# Altium PCB ESP12_PCB.PcbDoc
Units mm, origin at the board's own origin, x right, y up, seen from the top; angles counter-clockwise.
Board outline 42 x 72 mm, 2 copper layers (Top Layer, Bottom Layer); 27 components, 18 nets, 83 pads, 54 vias.
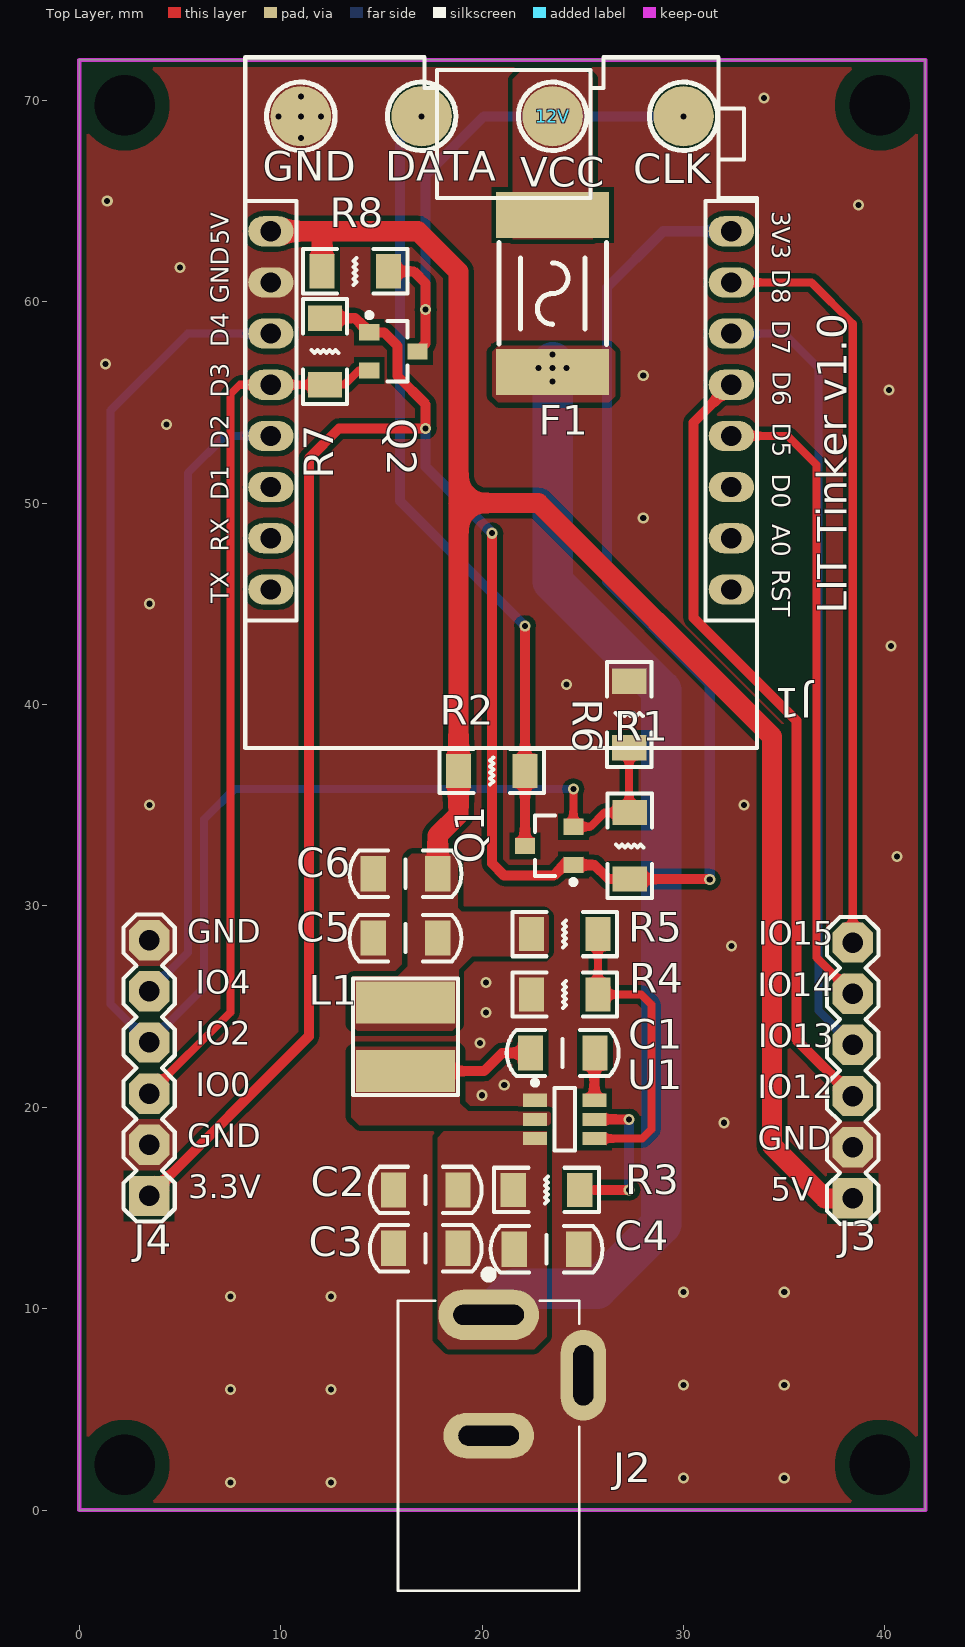
[diagram p0: Top Layer view]
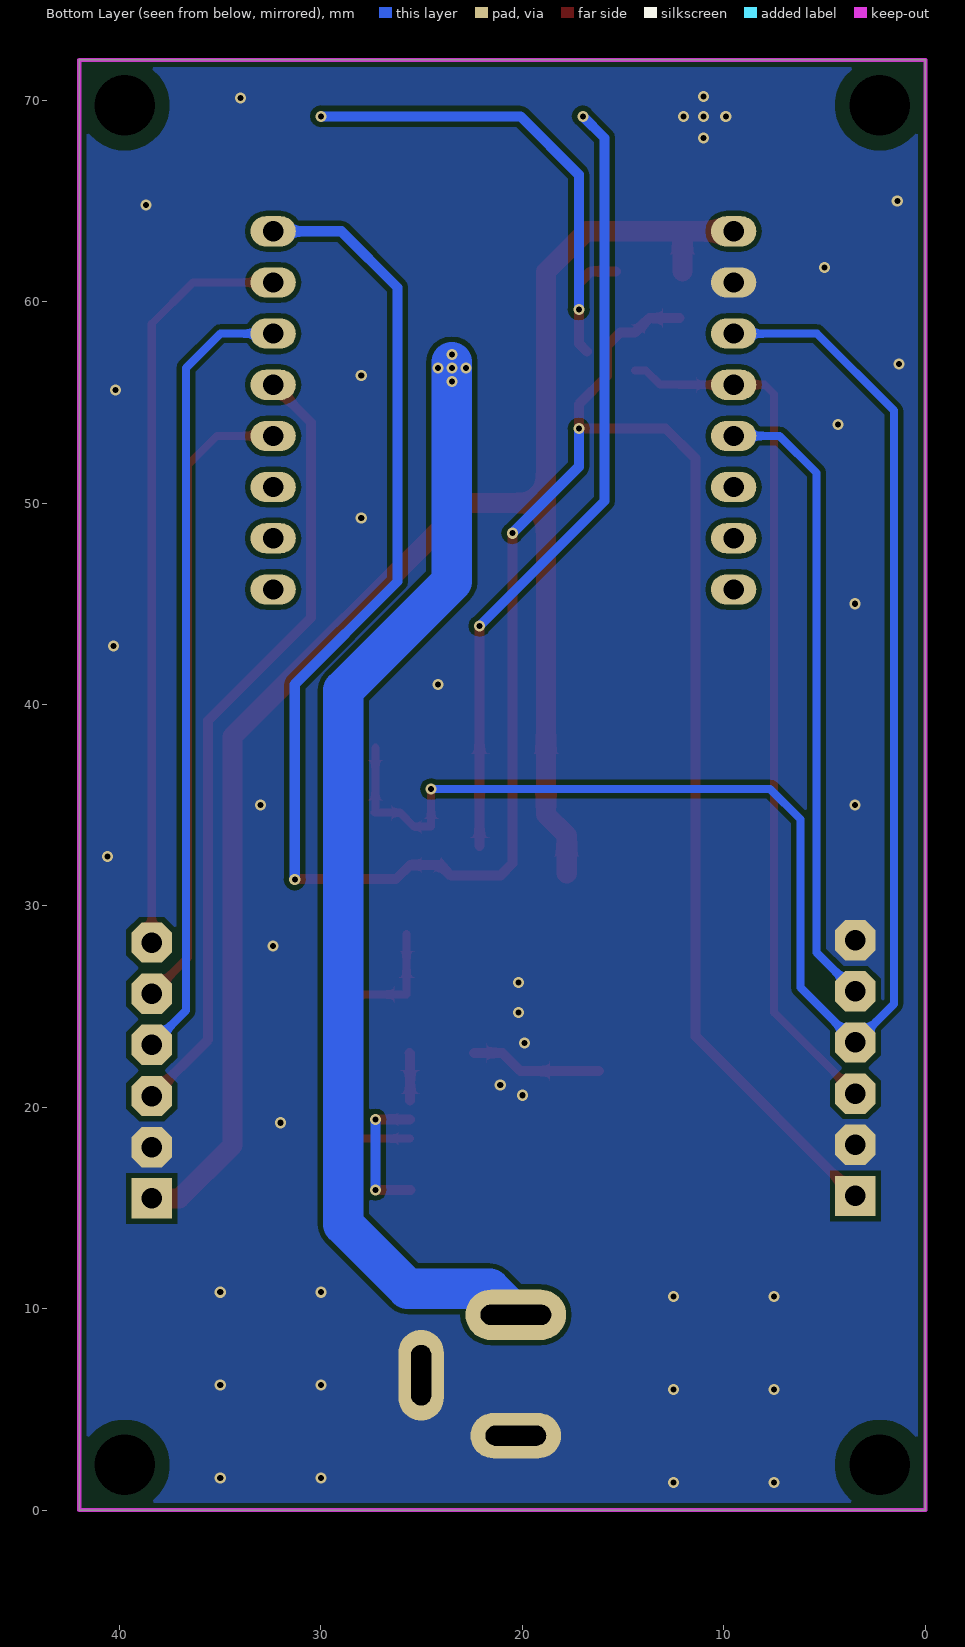
[diagram p1: Bottom Layer view, seen from below]

## Layer stack, top to bottom
Top Solder: solder mask 0.0102, Solder Resist, Dk 3.5
Top Layer: signal copper 0.0356
Dielectric 1: dielectric 0.32, FR-4, Dk 4.8
Bottom Layer: signal copper 0.0356
Bottom Solder: solder mask 0.0102, Solder Resist, Dk 3.5

## Board outline
0,0 0,72 42,72 42,0

## Design rules (kind name [scope] priority, off if disabled: settings)
Clearance [All] p1: gap=0.254 ignorepadtopadclearanceinfootprint=FALSE except(0: Arc-Hole Track-Hole SMDPad-Hole THPad-Hole Via-Hole Fill-Hole Poly-Hole Region-Hole Text-Hole)
PolygonConnect [All] p1: connectstyle=Direct reliefconductorwidth=0.254 reliefentries=4 polygonreliefangle="90 Angle" airgapwidth=0.254
RoutingVias [All] p1: holewidth=0.3 width=0.55 viastyle="Through Hole" minholewidth=0.3 minwidth=0.55 maxholewidth=0.7 maxwidth=1
SolderMaskExpansion [All] p1: expansion=0.102
Width [All] p1: maxlimit=3 minlimit=0.254 preferedwidth=0.254
30 further rules are at their usual default settings.

## Components (designator, comment, footprint, x,y, rotation, side; value= is the part's Value field where it differs from the comment)
12V "TestPoint" TestPoint 23.5,69.198 r90 top
C1 "0.1uF" C1206 24,22.7 r180 top
C2 "10uF" C1206 17.2,15.9 r180 top
C3 "10uF" C1206 17.2,13 r180 top
C4 "0.1uF" C1206 23.2,12.95 r0 top
C5 "22uF/25V" C1206 16.195,28.4 r180 top
C6 "22uF/25V" C1206 16.2,31.6 r180 top
CLK "TestPoint" TestPoint 30,69.198 r0 top
DATA "TestPoint" TestPoint 17,69.198 r270 top
F1 "FUSE" FUSE-SMD_L8.0-W5.4 23.5,60.4 r270 top
GND "TestPoint" TestPoint 11,69.198 r270 top
J1 "Wemos D1 Mini" WEMOS_D1_MINI 20.941,54.6 r180 top locked
J2 "DC Jack" CUI_PJ-002A 20.325,3.7 r270 top
J3 "1X06" CON_1X06_2.54MM_MALE 38.4,15.48 r90 top
J4 "1X06" CON_1X06_2.54MM_MALE 3.471,15.6 r90 top
L1 "3.3uH" IND_5X5 16.2,23.5 r180 top
Q1 "BSS138" SOT23-3 23.328,32.98 r90 top
Q2 "BSS138" SOT23-3 15.6,57.525 r270 top
R1 "1K" R1206 27.328,32.98 r270 top
R2 "1K" R1206 20.478,36.7 r180 top
R3 "10K" R1206 23.2,15.9 r0 top
R4 "10K" R1206 24.1,25.6 r0 top
R5 "54.9K" R1206 24.1,28.6 r180 top
R6 "10K" R1206 27.3,39.5 r270 top
R7 "1K" R1206 12.2,57.525 r90 top
R8 "1K" R1206 13.7,61.5 r180 top
U1 "TPS563201" SOT23-6 24.1,19.4 r0 top

## Footprints (in the part's own frame and the unit in brackets; to place one, negate y for a bottom-side part, rotate by r counter-clockwise, add the part's x,y. Pads: shape width x height; smd on the part's side, far side on the other; paste and mask are expansions set on the pad)
C1206 [mm] "Chip Capacitor, 2-Leads, Body 3.20x1.60mm, IPC Medium Density"
  rect 1.25x1.75 smd: 1(-1.6,0) 2(1.6,0)
  silkscreen extent -2.78,-1.15 2.78,1.15, body extent -1.65,-0.85 1.65,0.85, height 0.6
CON_1X06_2.54MM_MALE [mm]
  rect 2x2 hole 1.016: 1(0,0)
  oct 2x2 hole 1.016: 2(2.54,0) 3(5.08,0) 4(7.62,0) 5(10.16,0) 6(12.7,0)
  silkscreen extent -1.27,-1.27 13.97,1.27, body extent -1.27,-1.27 13.97,1.27, height 8.6
CUI_PJ-002A [mm] "Power Barrel Connector Jack 2.10mm ID (0.083\"), 5.50mm OD (0.217\") Through Hole, Right Angle"
  oval 2.5x5 hole 1 slot 3.5 at 90 deg: 1(-6,0)
  oval 2.25x4.5 hole 1 slot 3 at 90 deg: 2(0,0)
  oval 4.5x2.25 hole 1 slot 3 at 0 deg: 3(-3,4.7)
  silkscreen extent -8.2,-4.5 7.7,4.5, body extent -6.7,-4.5 7.7,4.9, height 11
FUSE-SMD_L8.0-W5.4 [mm]
  rect 2.3x5.6 smd: 1(-3.9,0) 2(3.9,0)
  silkscreen extent -2.54,-2.67 2.52,2.67, body extent -3.68,-2.56 3.68,2.56, height 0.9
IND_5X5 [mm]
  rect 4.9x2.1 smd: 1(0,1.7) 2(0,-1.7)
  silkscreen extent -2.6,-2.9 2.6,2.9, body extent -2.5,-2.5 2.5,2.5, height 2.95
R1206 [mm] "Chip Resistor, 2-Leads, Body 3.20x1.60mm, IPC Medium Density"
  rect 1.25x1.7 smd: 1(-1.65,0) 2(1.65,0)
  silkscreen extent -2.6,-1.1 2.6,1.1, body extent -1.65,-0.85 1.65,0.85, height 0.6
SOT23-3 [mm] "SOT23, 3-Leads, Body 2.90x2.45mm, Pitch 0.95mm, IPC Medium Density"
  rect 0.8x1 smd: 1(-0.95,-1.2) 2(0.95,-1.2) 3(0,1.2)
  silkscreen extent -1.92,-1.33 1.5,0.7, body extent -1.5,-1.3 1.5,1.3, height 1.1
SOT23-6 [mm] "SOT23, 5-Leads, Body 2.90x2.80mm, Pitch 0.95mm, IPC Low Density"
  rect 1.2x0.65 smd: 1(-1.475,0.95) 2(-1.475,0) 3(-1.475,-0.95) 4(1.475,-0.95) 5(1.475,0) 6(1.475,0.95)
  silkscreen extent -1.6,-1.55 0.5,1.95, body extent -1.4,-1.45 1.4,1.45, height 0.95
TestPoint [mm]
  round 3 smd: 1(0,0)
  silkscreen extent -1.7,-1.7 1.7,1.7
WEMOS_D1_MINI [mm]
  oval 2.25x1.5 hole 1: 1(-11.43,8.89) 2(-11.43,6.35) 3(-11.43,3.81) 4(-11.43,1.27) 5(-11.43,-1.27) 6(-11.43,-3.81) 7(-11.43,-6.35) 8(-11.43,-8.89) 9(11.43,-8.89) 10(11.43,-6.35) 11(11.43,-3.81) 12(11.43,-1.27) 13(11.43,1.27) 14(11.43,3.81) 15(11.43,6.35) 16(11.43,8.89)
  silkscreen extent -12.7,-17.53 12.71,16.76, body extent -12.86,-17.5 12.88,16.75, height 14.6

## Part data
12V CLK DATA GND: "Test Point"
C1 C4: library part C1206_0.1uF_50V, "0.1µF ±10% 50V Ceramic Capacitor X7R 1206 (3216 Metric)", Capacitance=100nF, Case/Package=1206, Case Code (Metric)=3216, Dielectric=X7R, Manufacturer=Samsung, Manufacturer Part Number=CL31B104KBCNFNC, Max Operating Temperature=125°C, Min Operating Temperature=-55°C, Package Quantity=1, Supplier Part Number 1=1276-2744-1-ND, Tolerance=10%, Voltage Rating=50V, Case Code (Imperial)=1206, ComponentLink1Description=https://media.digikey.com/pdf/Data%20Sheets/Samsung%20PDFs/CL_Series_MLCC_ds.pdf?src-supplier=Digi-Key, ComponentLink1URL=https://media.digikey.com/pdf/Data%20Sheets/Samsung%20PDFs/CL_Series_MLCC_ds.pdf?src-supplier=Digi-Key, Depth=1.6mm, Height=0.85mm, Length=0.126inch, Mount="Surface Mount", Packaging="Tape and Reel", Pricing 1="1=0.12, 10=0.086, 100=0.0403, 500=0.02824, 1000=0.02338 (USD)", Radiation Hardening=No, Stock 1=134564, Supplier 1=Digi-Key, Thickness=0.037inch, Width=0.063inch
C2 C3: library part C1206_10uF_16V, "10µF -20%, +80% 16V Ceramic Capacitor Y5V (F) 1206 (3216 Metric)", Case/Package=1206, Case Code (Metric)=3216, Dielectric=Y5V, Manufacturer=Samsung, Manufacturer Part Number=CL31F106ZOHNNNE, Max Operating Temperature=85°C, Min Operating Temperature=-30°C, Supplier Part Number 1=1276-1312-1-ND, Tolerance=80%, Voltage Rating=16V, Capacitance=10uF, Case Code (Imperial)=1206, ComponentLink1Description=https://www.verical.com/server-webapp/html/getDatasheet?partID=354118&src-supplier=Verical, ComponentLink1URL=https://www.verical.com/server-webapp/html/getDatasheet?partID=354118&src-supplier=Verical, ComponentLink2Description=http://www1.futureelectronics.com/doc/SAMSUNG%20PASSIVE/CL05B104KQ5NNNC.pdf?src-supplier=Future+Electronics, ComponentLink2URL=http://www1.futureelectronics.com/doc/SAMSUNG%20PASSIVE/CL05B104KQ5NNNC.pdf?src-supplier=Future+Electronics, ComponentLink3Description=https://produktinfo.conrad.com/datenblaetter/450000-474999/452562-da-01-en-VS_KONDENSATOR_1206.pdf?src-supplier=Conrad, ComponentLink3URL=https://produktinfo.conrad.com/datenblaetter/450000-474999/452562-da-01-en-VS_KONDENSATOR_1206.pdf?src-supplier=Conrad, Depth=1.6mm, Height=1.6mm, Lead Free="Lead Free", Length=3.2mm, Material=Ceramic, Mount="Surface Mount", Packaging="Tape and Reel", Pricing 1="1=0.25, 10=0.169, 100=0.096, 500=0.06778, 1000=0.0593 (USD)", Radiation Hardening=No, Stock 1=142848, Supplier 1=Digi-Key, Thickness=0.071inch, Voltage Rating (DC)=16V, Width=0.063inch
C5 C6: library part C1206_22uF_25V, "Cap Ceramic 22uF 25V X5R 10% SMD 1206 85C Embossed T/R", Capacitance=22uF, Case/Package=1206, Case Code (Metric)=3216, Dielectric=X5R, Manufacturer=Samsung, Manufacturer Part Number=CL31A226KAHNNNE, Max Operating Temperature=85°C, Min Operating Temperature=-55°C, Package Quantity=1, Supplier Part Number 1=1276-3047-1-ND, Tolerance=10%, Voltage Rating=25V, Case Code (Imperial)=1206, ComponentLink1Description=https://media.digikey.com/pdf/Data%20Sheets/Samsung%20PDFs/CL_Series_MLCC_ds.pdf?src-supplier=Digi-Key, ComponentLink1URL=https://media.digikey.com/pdf/Data%20Sheets/Samsung%20PDFs/CL_Series_MLCC_ds.pdf?src-supplier=Digi-Key, ComponentLink2Description=https://www.verical.com/server-webapp/html/getDatasheet?partID=359658&src-supplier=Verical, ComponentLink2URL=https://www.verical.com/server-webapp/html/getDatasheet?partID=359658&src-supplier=Verical, ComponentLink3Description=http://www1.futureelectronics.com/doc/SAMSUNG/CL31A226KAHNNNE.pdf?src-supplier=Future+Electronics, ComponentLink3URL=http://www1.futureelectronics.com/doc/SAMSUNG/CL31A226KAHNNNE.pdf?src-supplier=Future+Electronics, ComponentLink4Description=https://produktinfo.conrad.com/datenblaetter/450000-474999/452249-da-01-en-VS_KONDENSATOR_1206.pdf?src-supplier=Conrad, ComponentLink4URL=https://produktinfo.conrad.com/datenblaetter/450000-474999/452249-da-01-en-VS_KONDENSATOR_1206.pdf?src-supplier=Conrad, Contact Plating=Tin, Depth=1.6mm, Height=1.6mm, Length=3.2mm, Material=Ceramic, Mount="Surface Mount", Packaging="Tape and Reel", Pricing 1="1=0.62, 10=0.439, 100=0.289, 500=0.21406, 1000=0.18195 (USD)", Radiation Hardening=No, Stock 1=1010193, Supplier 1=Digi-Key, Thickness=0.071inch, Width=0.063inch
F1: "16V 10A 2920 PTC Resettable Fuses RoHS", Manufacturer Part Number=SMD2920P500TF/16
J1: library part Wemos_D1_Mini, "Wemos D1 Mini Wireless WIFI Internet of Things Development Board Based ESP8266 CH340 CH340G 4MB For Arduino Nodemcu V2 V3.0 3.0"
J2: library part DC_JACK_PJ-002A, "Power Barrel Connector Jack 2.10mm ID (0.083\"), 5.50mm OD (0.217\") Through Hole, Right Angle", Color=Black, Current Rating=2.5A, Flammability Rating="UL94 V-0", Insulation Resistance=50MR, Manufacturer=CUI, Manufacturer Part Number=PJ-002A, Max Operating Temperature=85°C, Min Operating Temperature=-25°C, Package Quantity=500, Supplier Part Number 1=CP-002A-ND, Voltage Rating=24V, Connector Type=Jack, Contact Gender=Male, Contact Material="Copper Alloy,Copper", Contact Plating=Tin,Nickel, Diameter=2.1mm, Gender=Male, Housing Color=Black, Housing Material=Thermoplastic, Lead Free="Lead Free", Mount="Through Hole", Number of Conductors=2, Orientation=Horizontal, Packaging=Bulk, Pricing 1="1=0.6, 10=0.558, 25=0.5024, 50=0.4464, 100=0.4278, 250=0.3906, 500=0.372, 1000=0.3069, 2500=0.279 (USD)", Shielding=Unshielded, Stock 1=57905, Supplier 1=Digi-Key, Termination="Through Hole"
J3 J4: library part CON_1X06_2.54mm_Male, "Connector Header Through Hole 6 position 0.100\" (2.54mm)", Manufacturer Part Number=Z-211-0611-0021-001
L1: library part INDCUTOR_3.3uH, "3.3µH Shielded Wirewound Inductor 2.02A 96mOhm Max Nonstandard", Case/Package=Nonstandard, Current Rating=2.02A, DC Resistance (DCR)=96mR, Inductance Tolerance=30%, Manufacturer=TDK, Manufacturer Part Number=VLCF5020T-3R3N2R0-1, Max Operating Temperature=105°C, Min Operating Temperature=-40°C, Package Quantity=500, Supplier Part Number 1=445-3206-1-ND, Test Frequency=100kHz, ComponentLink1Description=http://www.farnell.com/datasheets/516785.pdf?src-supplier=Element14, ComponentLink1URL=http://www.farnell.com/datasheets/516785.pdf?src-supplier=Element14, ComponentLink2Description=http://www.farnell.com/datasheets/516785.pdf?src-supplier=Farnell, ComponentLink2URL=http://www.farnell.com/datasheets/516785.pdf?src-supplier=Farnell, ComponentLink3Description=http://uk.rs-online.com/webdocs/1538/0900766b81538dbe.pdf?src-supplier=RSComponents, ComponentLink3URL=http://uk.rs-online.com/webdocs/1538/0900766b81538dbe.pdf?src-supplier=RSComponents, ComponentLink4Description=http://www.onlinecomponents.com/productFiles/mf-TDK/e531_vlcf5020_1.pdf?src-supplier=Onlinecomponents.com, ComponentLink4URL=http://www.onlinecomponents.com/productFiles/mf-TDK/e531_vlcf5020_1.pdf?src-supplier=Onlinecomponents.com, Composition=Wirewound, Core Material=Ferrite, DC Current=2.02A, Depth=5.2mm, Height=2mm, Height - Seated (Max)=0.079inch, Inductance=3.3uH, Lead Free="Lead Free", Length=0.197inch, Max DC Current=2.02A, Military Standard=Not, Mount="Surface Mount", Number of Pins=2, Packaging="Tape and Reel", Pricing 1="1=0.97, 10=0.845, 100=0.6038 (USD)", REACH SVHC=Unknown, RMS Current (Irms)=2.02A, Saturation Current=2.02A, Shielding=Shielded, Stock 1=166, Supplier 1=Digi-Key, Termination=SMD/SMT, Tolerance=30%, Width=0.197inch
Q1 Q2: library part BSS138-7-F, "N-Channel MOSFET 50V 200mA (Ta) 300mW (Ta) Surface Mount SOT-23-3", Case/Package=SOT-23, Continuous Drain Current (ID)=200mA, Drain to Source Breakdown Voltage=50V, Drain to Source Resistance=3.5R, Gate to Source Voltage (Vgs)=20V, Input Capacitance=50pF, Manufacturer=Diodes, Max Operating Temperature=150°C, Max Power Dissipation=300mW, Min Operating Temperature=-55°C, Package Quantity=3000, Supplier Part Number 1=BSS138-FDICT-ND, Threshold Voltage=1.2V, ComponentLink1Description=http://www.diodes.com/datasheets/BSS138.pdf?src-supplier=Avnet, ComponentLink1URL=http://www.diodes.com/datasheets/BSS138.pdf?src-supplier=Avnet, ComponentLink2Description=http://www.farnell.com/datasheets/1915619.pdf?src-supplier=Element14, ComponentLink2URL=http://www.farnell.com/datasheets/1915619.pdf?src-supplier=Element14, ComponentLink3Description=http://www.diodes.com/datasheets/BSS138.pdf?src-supplier=Avnet+Europe, ComponentLink3URL=http://www.diodes.com/datasheets/BSS138.pdf?src-supplier=Avnet+Europe, ComponentLink4Description=https://www.diodes.com/assets/Datasheets/ds30144.pdf?src-supplier=Digi-Key, ComponentLink4URL=https://www.diodes.com/assets/Datasheets/ds30144.pdf?src-supplier=Digi-Key, ComponentLink5Description=http://www.diodes.com/_files/datasheets/ds30144.pdf?src-supplier=Future+Electronics, ComponentLink5URL=http://www.diodes.com/_files/datasheets/ds30144.pdf?src-supplier=Future+Electronics, Contact Plating=Tin,Matte, Current Rating=200mA, Drain to Source Voltage (Vdss)=50V, Element Configuration=Single, Fall Time=25ns, Height=1mm, Lead Free="Lead Free", Length=2.9mm, Manufacturer Part Number=BSS138-7-F, Mount="Surface Mount", Nominal Vgs=1.2V, Number of Channels=1, Number of Elements=1, Number of Pins=3, On-State Resistance=3.5R, Packaging="Tape and Reel", Power Dissipation=300mW, Pricing 1="1=0.2, 10=0.168, 100=0.0686, 500=0.05726, 1000=0.03978 (USD)", Rds On Max=3.5R, REACH SVHC="No SVHC", Rise Time=10ns, Stock 1=1498304, Supplier 1=Digi-Key, Turn-Off Delay Time=20ns, Turn-On Delay Time=20ns, Voltage=50V, Voltage Rating (DC)=50V, Weight=0.000282oz, Width=1.3mm
R1 R2 R7 R8: library part R1206_1K, "1 kOhms ±1% 0.25W, 1/4W Chip Resistor 1206 (3216 Metric) Automotive AEC-Q200, Moisture Resistant Thick Film", Case/Package=1206, Case Code (Metric)=3016, Manufacturer=Yageo, Manufacturer Part Number=AC1206FR-071KL, Max Operating Temperature=155°C, Max Power Dissipation=250mW, Min Operating Temperature=-55°C, Resistance=1kR, Supplier Part Number 1=YAG3829CT-ND, Temperature Coefficient=100ppm/°C, Tolerance=1%, Voltage Rating=200V, Case Code (Imperial)=1206, ComponentLink1Description=http://www.yageo.com/NewPortal/yageodocoutput?fileName=/pdf/R-Chip/PYu-AC_51_RoHS_L_6.pdf&src-supplier=Digi-Key, ComponentLink1URL=http://www.yageo.com/NewPortal/yageodocoutput?fileName=/pdf/R-Chip/PYu-AC_51_RoHS_L_6.pdf&src-supplier=Digi-Key, ComponentLink2Description=http://www.mouser.com/ds/2/447/yageodocoutput-1111992.pdf?src-supplier=Mouser, ComponentLink2URL=http://www.mouser.com/ds/2/447/yageodocoutput-1111992.pdf?src-supplier=Mouser, Composition="Thick Film", Features="Moisture Resistant,Automotive AEC-Q200", Height=0.026inch, Length=0.122inch, Number of Terminations=2, Packaging="Tape and Reel", Power Rating=250mW, Pricing 1="1=0.1, 10=0.077, 100=0.0296, 1000=0.01302, 2500=0.01125 (USD)", Stock 1=469087, Supplier 1=Digi-Key, Termination=SMD/SMT, Weight=0.000571oz, Width=0.063inch
R3 R4 R6: library part R1206_10K, "10 kOhms ±5% 0.25W, 1/4W Chip Resistor 1206 (3216 Metric) Moisture Resistant Thick Film", Case/Package=1206, Case Code (Metric)=3216, Manufacturer=Yageo, Manufacturer Part Number=RC1206JR-0710KL, Max Operating Temperature=155°C, Max Power Dissipation=250mW, Min Operating Temperature=-55°C, Package Quantity=5000, Resistance=10kR, Supplier Part Number 1=311-10KERCT-ND, Temperature Coefficient=100ppm/°C, Tolerance=5%, Voltage Rating=200V, Case Code (Imperial)=1206, ComponentLink1Description=http://www.farnell.com/datasheets/444357.pdf?src-supplier=Element14, ComponentLink1URL=http://www.farnell.com/datasheets/444357.pdf?src-supplier=Element14, ComponentLink2Description=http://www.yageo.com/documents/recent/PYu-RC_Group_51_RoHS_L_10.pdf?src-supplier=Digi-Key, ComponentLink2URL=http://www.yageo.com/documents/recent/PYu-RC_Group_51_RoHS_L_10.pdf?src-supplier=Digi-Key, ComponentLink3Description=https://produktinfo.conrad.com/datenblaetter/400000-424999/402664-da-01-en-SMD_Widerstand_Chip1206_10_kOhm.pdf?src-supplier=Conrad, ComponentLink3URL=https://produktinfo.conrad.com/datenblaetter/400000-424999/402664-da-01-en-SMD_Widerstand_Chip1206_10_kOhm.pdf?src-supplier=Conrad, Composition="Thick Film", Depth=1.6mm, Height=0.026inch, Lead Free="Lead Free", Length=0.122inch, Military Standard=Not, Number of Terminations=2, Packaging="Tape and Reel", Power Rating=250mW, Pricing 1="1=0.1, 10=0.061, 100=0.0249, 1000=0.01118, 2500=0.00971 (USD)", REACH SVHC=Unknown, Stock 1=5252312, Supplier 1=Digi-Key, Termination=SMD/SMT, Width=0.063inch, Working Voltage=200V
R5: library part R1206_54.9K, "54.9 kOhms ±1% 0.25W, 1/4W Chip Resistor 1206 (3216 Metric) Moisture Resistant Thick Film", Case/Package=1206, Case Code (Metric)=3216, Manufacturer=Yageo, Manufacturer Part Number=RC1206FR-0754K9L, Max Operating Temperature=155°C, Min Operating Temperature=-55°C, Power Rating=250mW, Resistance=54.9kR, Supplier Part Number 1=311-54.9KFRCT-ND, Temperature Coefficient=100ppm/°C, Tolerance=1%, Voltage Rating=200V, Case Code (Imperial)=1206, ComponentLink1Description=http://www.yageo.com/documents/recent/PYu-RC_Group_51_RoHS_L_2.pdf?src-supplier=Avnet, ComponentLink1URL=http://www.yageo.com/documents/recent/PYu-RC_Group_51_RoHS_L_2.pdf?src-supplier=Avnet, ComponentLink2Description=http://www.yageo.com/documents/recent/PYu-RC1206_51_RoHS_L-4.pdf?src-supplier=Future+Electronics, ComponentLink2URL=http://www.yageo.com/documents/recent/PYu-RC1206_51_RoHS_L-4.pdf?src-supplier=Future+Electronics, ComponentLink3Description=http://www.yageo.com.tw/exep/pages/download/literatures/PYu-R_INT-thick_7.pdf?src-supplier=Digi-Key, ComponentLink3URL=http://www.yageo.com.tw/exep/pages/download/literatures/PYu-R_INT-thick_7.pdf?src-supplier=Digi-Key, ComponentLink4Description=http://www.yageo.com/documents/recent/PYu-RC_Group_51_RoHS_L_10.pdf?src-supplier=Digi-Key, ComponentLink4URL=http://www.yageo.com/documents/recent/PYu-RC_Group_51_RoHS_L_10.pdf?src-supplier=Digi-Key, ComponentLink5Description=http://www.yageo.com/documents/recent/PYu-RC1206_51_RoHS_L_5.pdf?src-supplier=Avnet+Europe, ComponentLink5URL=http://www.yageo.com/documents/recent/PYu-RC1206_51_RoHS_L_5.pdf?src-supplier=Avnet+Europe, ComponentLink6Description=http://www.mouser.com/ds/2/447/PYu-RC1206_51_RoHS_L-4-349080.pdf?src-supplier=Mouser, ComponentLink6URL=http://www.mouser.com/ds/2/447/PYu-RC1206_51_RoHS_L-4-349080.pdf?src-supplier=Mouser, ComponentLink7Description=http://components.arrow.com/part/dataview/0323_03545128?src-supplier=Arrow+Europe, ComponentLink7URL=http://components.arrow.com/part/dataview/0323_03545128?src-supplier=Arrow+Europe, Composition="Thick Film", Contact Plating=Tin,Matte, Depth=1.6mm, Height=0.55mm, Lead Free="Lead Free", Length=3.1mm, Military Standard=Not, Packaging="Tape and Reel", Pricing 1="1=0.1, 10=0.071, 100=0.0291, 1000=0.01306, 2500=0.01134 (USD)", Radiation Hardening=No, Stock 1=25794, Supplier 1=Digi-Key, Termination=SMD/SMT, Voltage Rating (DC)=200V, Width=1.6mm
U1: library part TPS563201DDCR, "Conv DC-DC 4.5V to 17V Synchronous Step Down Single-Out 0.76V to 7V 3A 6-Pin TSOT-23 T/R", Case/Package=SOT-23-6, Manufacturer="Texas Instruments", Max Input Voltage=17V, Max Operating Temperature=125°C, Max Output Voltage=7V, Min Input Voltage=4.5V, Min Operating Temperature=-40°C, Min Output Voltage=768mV, Output Current=3A, Quiescent Current=400uA, Supplier Part Number 1=296-47238-1-ND, Switching Frequency=580kHz, ComponentLink1Description=http://www.ti.com/lit/ds/symlink/tps563201.pdf?src-supplier=Digi-Key, ComponentLink1URL=http://www.ti.com/lit/ds/symlink/tps563201.pdf?src-supplier=Digi-Key, ComponentLink2Description=http://www.ti.com/general/docs/suppproductinfo.tsp?distId=10&amp;gotoUrl=http%3A%2F%2Fwww.ti.com%2Flit%2Fgpn%2Ftps563201&src-supplier=Digi-Key, ComponentLink2URL=http://www.ti.com/general/docs/suppproductinfo.tsp?distId=10&amp;gotoUrl=http%3A%2F%2Fwww.ti.com%2Flit%2Fgpn%2Ftps563201&src-supplier=Digi-Key, ComponentLink3Description=http://www.ti.com/lit/gpn/tps563201?src-supplier=Mouser, ComponentLink3URL=http://www.ti.com/lit/gpn/tps563201?src-supplier=Mouser, Lead Free="Lead Free", Manufacturer Part Number=TPS563201DDCR, Mount="Surface Mount", Number of Outputs=1, Number of Pins=6, Output Configuration=Positive, Output Type=Adjustable, Packaging="Tape and Reel", Pricing 1="1=0.84, 10=0.747, 100=0.5448, 500=0.45608, 1000=0.35473 (USD)", Stock 1=4931, Supplier 1=Digi-Key, Synchronous Rectifier=Yes

## Free pads (board coordinates)
  round 0 hole 3 unplated: 2(2.25,69.75) 2(2.255,2.25) 2(39.75,69.75) 2(39.75,2.25)

## Via types
v1: diameter 0.55, hole 0.3, Top Layer to Bottom Layer, 54 vias

## Nets (pads, with @x,y where several pads share a name; then routed paths per layer and width w, separated by ;. In a path a pad name is that pad's centre, name@x,y a point inside that pad or via, vN(x,y) a via of type N, cw(c..) or ccw(c..) an arc to the next point about the centre after c; other vN are vias at no path point)
3.3V: J1.8 J4.1 Q1.1 Q2.1 R1.2 R7.2 | length 128.5
  Top Layer w0.5: J4.1 11.4,23.529 11.4,52.2 12.9,53.7 v1(17.2,53.7) 17.2,54.897 15.796,56.301 15.796,57.804 15.125,58.475 Q2.1 13.7,59.175 R7.2 ; v1(20.5,48.5) 20.5,32.1 21.1,31.5 23.55,31.5 24.08,32.03 Q1.1 25.57,32.03 26.27,31.33 R1.2 31.27,31.33 v1(31.3,31.3)
  Bottom Layer w0.5: v1(17.2,53.7) 17.2,51.8 v1(20.5,48.5) ; v1(31.3,31.3) 31.3,41 26.2,46.1 26.2,60.7 28.99,63.49 J1.8
5V: C5.1 C6.1 J1.9 J3.1 L1.2 R2.2 R5.2 R8.2 | length 88.2
  Top Layer w1: J1.9 12,63.49 ; R8.2 12.05,63.44 12,63.49 ; C6.1 17.8,33.5 18.828,34.528 R2.2 18.829,50 ; J3.1 37.02,15.48 34.4,18.1 34.4,38.4 22.8,50 18.829,50 ; 12,63.49 16.819,63.49 18.829,61.48 18.829,50
CLK: CLK.1 Q2.3 R8.1 | length 26.3
  Top Layer w0.5: R8.1 16.6,61.5 17.2,60.9 v1(17.2,59.6) 17.2,57.925 Q2.3
  Bottom Layer w0.5: v1(17.2,59.6) 17.2,66.3 20.098,69.198 v1(30,69.198)
ESP_LED: J1.11 J4.4 Q1.2 R1.1 R6.2 | length 81
  Top Layer w0.4: v1(24.528,35.8) Q1.2 25.38,33.93 26.08,34.63 R1.1 27.3,34.658 R6.2
  Bottom Layer w0.4: J1.11 5.385,58.41 1.56,54.585 1.56,25.131 J4.4 6.2,25.949 6.2,34.3 7.7,35.8 v1(24.528,35.8)
GND: C2.2 C3.2 C4.2 C5.2 C6.2 GND.1 J1.10 J2.2 J2.3 J3.2 J4.2 J4.6 R4.1 R6.1 U1.1
  other v1: 7.5,1.384 12.5,1.384 30,1.589 35,1.589 7.5,6 12.5,6 30,6.205 35,6.205 7.5,10.616 12.5,10.616 30,10.821 35,10.821 32,19.234 20,20.6 21.1,21.1 19.9,23.2 20.2,24.7 20.2,26.2 32.371,28 40.6,32.45 3.489,35 33.008,35 24.2,41 40.3,42.9 3.489,45 28,49.263 4.329,53.9 40.2,55.6 28,56.333 1.3,56.9 5,61.7 38.684,64.8 1.389,65 11,68.124 9.903,69.198 11,69.198 12,69.198 34,70.1 11,70.177
GPIO0: J1.12 J4.3 Q2.2 R7.1 | length 43.8
  Top Layer w0.4: J4.3 7.5,24.709 7.5,55.4 7.97,55.87 J1.12 12.195,55.87 R7.1 13.175,55.875 13.875,56.575 Q2.2
GPIO4: J1.13 J4.5 | length 31.4
  Bottom Layer w0.4: J4.5 5.4,27.689 5.4,51.5 7.23,53.33 J1.13
GPIO12: J1.5 J3.3 | length 39.4
  Top Layer w0.5: J1.5 30.5,53.999 30.5,44.3 35.6,39.2 35.6,23.36 J3.3
GPIO13: J1.6 J3.4 | length 39.3
  Bottom Layer w0.4: J1.6 34.99,58.41 36.7,56.7 36.7,24.8 J3.4
GPIO14: J1.4 J3.5 | length 31.8
  Top Layer w0.4: J1.4 35.17,53.33 36.6,51.9 36.6,27.44 J3.5
GPIO15: J1.7 J3.6 | length 37.6
  Top Layer w0.4: J1.7 36.35,60.95 38.4,58.9 J3.6
LED: DATA.1 Q1.3 R2.1 | length 39.2
  Top Layer w0.5: Q1.3 R2.1 v1(22.128,43.9)
  Bottom Layer w0.5: v1(17,69.198) 15.925,68.124 15.925,50.103 v1(22.128,43.9)
Net12V_1: 12V.1 F1.1
NetC1_1: C1.1 U1.6 | length 2.4
  Top Layer w0.5: U1.6 25.575,22.675 C1.1
NetC1_2: C1.2 L1.1 U1.2 | length 6.6
  Top Layer w0.5: L1.1 20.1,21.8 21,22.7 C1.2
NetR3_2: R3.2 U1.5 | length 7
  Top Layer w0.5: 25.55,15.9 v1(27.3,15.9) ; U1.5 v1(27.3,19.4)
  Bottom Layer w0.5: v1(27.3,15.9) v1(27.3,19.4)
NetR4_2: R4.2 R5.1 U1.4 | length 15.1
  Top Layer w0.4: U1.4 27.95,18.45 28.4,18.9 28.4,25.1 27.9,25.6 R4.2 R5.1
VIN: C2.1 C3.1 C4.1 F1.2 J2.1 R3.1 U1.3 | length 55.5
  Bottom Layer w2: J2.1 21.625,11 25.7,11 28.9,14.2 28.9,40.7 23.5,46.1 v1(23.5,56.025) v1(23.5,56.7) 23.5,57
  other v1: 22.8,56.7 24.2,56.7 23.5,57.379
pads on no net: J1.1 J1.2 J1.3 J1.14 J1.15 J1.16

## Polygon pours and split planes (outlines as drawn)
GND on Bottom Layer "GND_L02_P020" (solid, remove dead copper, pour order 20): 0,0 42,0 42,72 0,72
Net12V_1 on Top Layer "NET12V_1_L01_P018" (solid, remove dead copper, pour order 18): 22,71.5 21.528,71.028 21.528,63.1 25.5,63.1 25.5,71.079 25.079,71.5
VIN on Top Layer "VIN_L01_P017" (solid, remove dead copper, pour order 17): 20.8,57.8 20.5,57.5 20.5,55.3 20.8,55 26.3,55 26.6,55.3 26.6,57.5 26.3,57.8
5V on Top Layer "5V_L01_P016" (solid, remove dead copper, pour order 16): 13.5,24.1 13.8,23.8 18.528,23.8 18.828,24.1 18.828,26.828 19.5,27.5 23.1,27.5 23.3,27.7 23.3,29.5 23.1,29.7 19,29.7 18.8,29.9 18.8,32.45 18.65,32.6 16.5,32.6 16.3,32.4 16.3,27 15.8,26.5 13.6,26.5 13.5,26.4
NetC1_2 on Top Layer "NETC1_2_L01_P015" (solid, remove dead copper, pour order 15): 23.4,19.2 23.3,19.1 13.9,19.1 13.5,19.5 13.5,22.8 13.7,23 18.728,23 18.9,22.828 18.9,20.2 19.3,19.8 23.3,19.8 23.4,19.7
VIN on Top Layer "VIN_L01_P013" (solid, remove dead copper, pour order 13): 17.8,8.5 18.3,8 22.6,8 23.2,8.6 23.2,18.8 18.1,18.8 17.8,18.5
GND on Top Layer "GND_L01_P019" (solid, remove dead copper, pour order 19): 0,0 42,0 42,71.962 0,71.962

## Keep-outs
Keep-Out Layer:
  the board outline again, w0.2

## Other copper
Top Layer:
  pour cut-out: 39.75,-0.005 ccw(c39.75,2.245) 42,2.245 ccw(c39.75,2.245) 39.75,4.495 ccw(c39.75,2.245) 37.5,2.245 ccw(c39.75,2.245)
  pour cut-out: 39.75,67.495 ccw(c39.75,69.745) 42,69.745 ccw(c39.75,69.745) 39.75,71.995 ccw(c39.75,69.745) 37.5,69.745 ccw(c39.75,69.745)
  pour cut-out: 2.25,67.495 ccw(c2.25,69.745) 4.5,69.745 ccw(c2.25,69.745) 2.25,71.995 ccw(c2.25,69.745) 0,69.745 ccw(c2.25,69.745)
  pour cut-out: 2.255,-0.005 ccw(c2.255,2.245) 4.505,2.245 ccw(c2.255,2.245) 2.255,4.495 ccw(c2.255,2.245) 0.005,2.245 ccw(c2.255,2.245)
Bottom Layer:
  pour cut-out: 39.75,-0.005 ccw(c39.75,2.245) 42,2.245 ccw(c39.75,2.245) 39.75,4.495 ccw(c39.75,2.245) 37.5,2.245 ccw(c39.75,2.245)
  pour cut-out: 39.75,67.495 ccw(c39.75,69.745) 42,69.745 ccw(c39.75,69.745) 39.75,71.995 ccw(c39.75,69.745) 37.5,69.745 ccw(c39.75,69.745)
  pour cut-out: 2.25,67.495 ccw(c2.25,69.745) 4.5,69.745 ccw(c2.25,69.745) 2.25,71.995 ccw(c2.25,69.745) 0,69.745 ccw(c2.25,69.745)
  pour cut-out: 2.255,-0.005 ccw(c2.255,2.245) 4.505,2.245 ccw(c2.255,2.245) 2.255,4.495 ccw(c2.255,2.245) 0.005,2.245 ccw(c2.255,2.245)

## Silkscreen, mask and mechanical layers (free items; w line width, h text height)
Top Overlay:
  text "VCC" at 21.9,65.2 h2.5
  text "LIT Tinker v1.0" at 38.6,44.5 h2.5 r90
  text "GND" at 5.37,27.782 h2
  text "IO15" at 33.698,27.662 h2
  text "IO4" at 5.774,25.242 h2
  text "IO14" at 33.674,25.122 h2
  text "IO2" at 5.796,22.702 h2
  text "IO13" at 33.7,22.582 h2
  text "IO0" at 5.779,20.162 h2
  text "IO12" at 33.696,20.042 h2
  text "GND" at 5.37,17.622 h2
  text "GND" at 33.686,17.502 h2
  text "3.3V" at 5.4,15.082 h2
  text "5V" at 34.337,14.967 h2
Mechanical 2:
  circle w0.254: c2.25,69.75 r2.25
  circle w0.254: c39.75,69.75 r2.25
  circle w0.254: c39.75,2.25 r2.25
  circle w0.254: c2.25,2.25 r2.25
  region: 0.75,2.25 ccw(c2.25,2.25) 2.25,0.75 ccw(c2.25,2.25) 3.75,2.25 ccw(c2.25,2.25) 2.25,3.75 ccw(c2.25,2.25)
  region: 38.25,2.25 ccw(c39.75,2.25) 39.75,0.75 ccw(c39.75,2.25) 41.25,2.25 ccw(c39.75,2.25) 39.75,3.75 ccw(c39.75,2.25)
  region: 38.25,69.75 ccw(c39.75,69.75) 39.75,68.25 ccw(c39.75,69.75) 41.25,69.75 ccw(c39.75,69.75) 39.75,71.25 ccw(c39.75,69.75)
  region: 0.75,69.75 ccw(c2.25,69.75) 2.25,68.25 ccw(c2.25,69.75) 3.75,69.75 ccw(c2.25,69.75) 2.25,71.25 ccw(c2.25,69.75)
  lines w0.2: 0,0 0,72 42,72 42,0 0,0
  text "GND" at 9,65.9 h2.5
  text "DATA" at 15.1,65.9 h2.5
  text "VCC" at 22.1,65.9 h2.5
  text "CLK" at 28.3,65.9 h2.5
  text "GND" at 5.37,27.782 h2
  text "IO15" at 33.698,27.662 h2
  text "IO4" at 5.774,25.242 h2
  text "IO14" at 33.674,25.122 h2
  text "IO2" at 5.796,22.702 h2
  text "IO13" at 33.7,22.582 h2
  text "IO0" at 5.779,20.162 h2
  text "IO12" at 33.696,20.042 h2
  text "GND" at 5.37,17.622 h2
  text "GND" at 33.686,17.502 h2
  text "3.3V" at 5.4,15.082 h2
  text "5V" at 34.337,14.967 h2

## Dimensions
2.25,69.75 to 39.75,69.75 on Mechanical 2
0,72 to 42,72.1 on Mechanical 2
42,0 to 42,72 on Mechanical 2
39.75,2.25 to 39.75,69.75 on Mechanical 2

## Text inside footprints (layer, text, board x,y; h text height)
J1: Top Overlay "D2" at 7.729,52.678 h1.52 r90; Top Overlay "D1" at 7.725,50.136 h1.52 r90; Top Overlay "GND" at 7.722,59.91 h1.52 r90; Top Overlay "3V3" at 34.116,64.484 h1.52 r270; Top Overlay "A0" at 34.117,48.946 h1.52 r270; Top Overlay "RST" at 34.117,46.716 h1.52 r270; Top Overlay "D0" at 34.117,51.46 h1.52 r270; Top Overlay "D5" at 34.123,53.979 h1.52 r270; Top Overlay "D6" at 34.124,56.533 h1.52 r270; Top Overlay "D7" at 34.117,59.062 h1.52 r270; Top Overlay "D8" at 34.117,61.605 h1.52 r270; Top Overlay "5V" at 7.716,62.825 h1.52 r90; Top Overlay "RX" at 7.722,47.579 h1.52 r90; Top Overlay "TX" at 7.722,45.023 h1.52 r90; Top Overlay "D3" at 7.723,55.217 h1.52 r90; Top Overlay "D4" at 7.722,57.736 h1.52 r90; Mechanical 2 "WEMOS D1 MINI" at 14,46.8 h2.5; Mechanical 2 "D2" at 7.729,52.678 h1.52 r90; Mechanical 2 "D1" at 7.725,50.136 h1.52 r90; Mechanical 2 "GND" at 7.722,59.91 h1.52 r90; Mechanical 2 "3V3" at 34.116,64.484 h1.52 r270; Mechanical 2 "A0" at 34.117,48.946 h1.52 r270; Mechanical 2 "RST" at 34.117,46.716 h1.52 r270; Mechanical 2 "D0" at 34.117,51.46 h1.52 r270; Mechanical 2 "D5" at 34.123,53.979 h1.52 r270; Mechanical 2 "D6" at 34.124,56.533 h1.52 r270; Mechanical 2 "D7" at 34.117,59.062 h1.52 r270; Mechanical 2 "D8" at 34.117,61.605 h1.52 r270; Mechanical 2 "5V" at 7.716,62.825 h1.52 r90; Mechanical 2 "RX" at 7.722,47.579 h1.52 r90; Mechanical 2 "TX" at 7.722,45.023 h1.52 r90; Mechanical 2 "D3" at 7.723,55.217 h1.52 r90; Mechanical 2 "D4" at 7.722,57.736 h1.52 r90
J2: Mechanical 2 "DC-JACK" at 16.1,0.6 h2.25